# Altium PCB LogBoard.PcbDoc (continued)
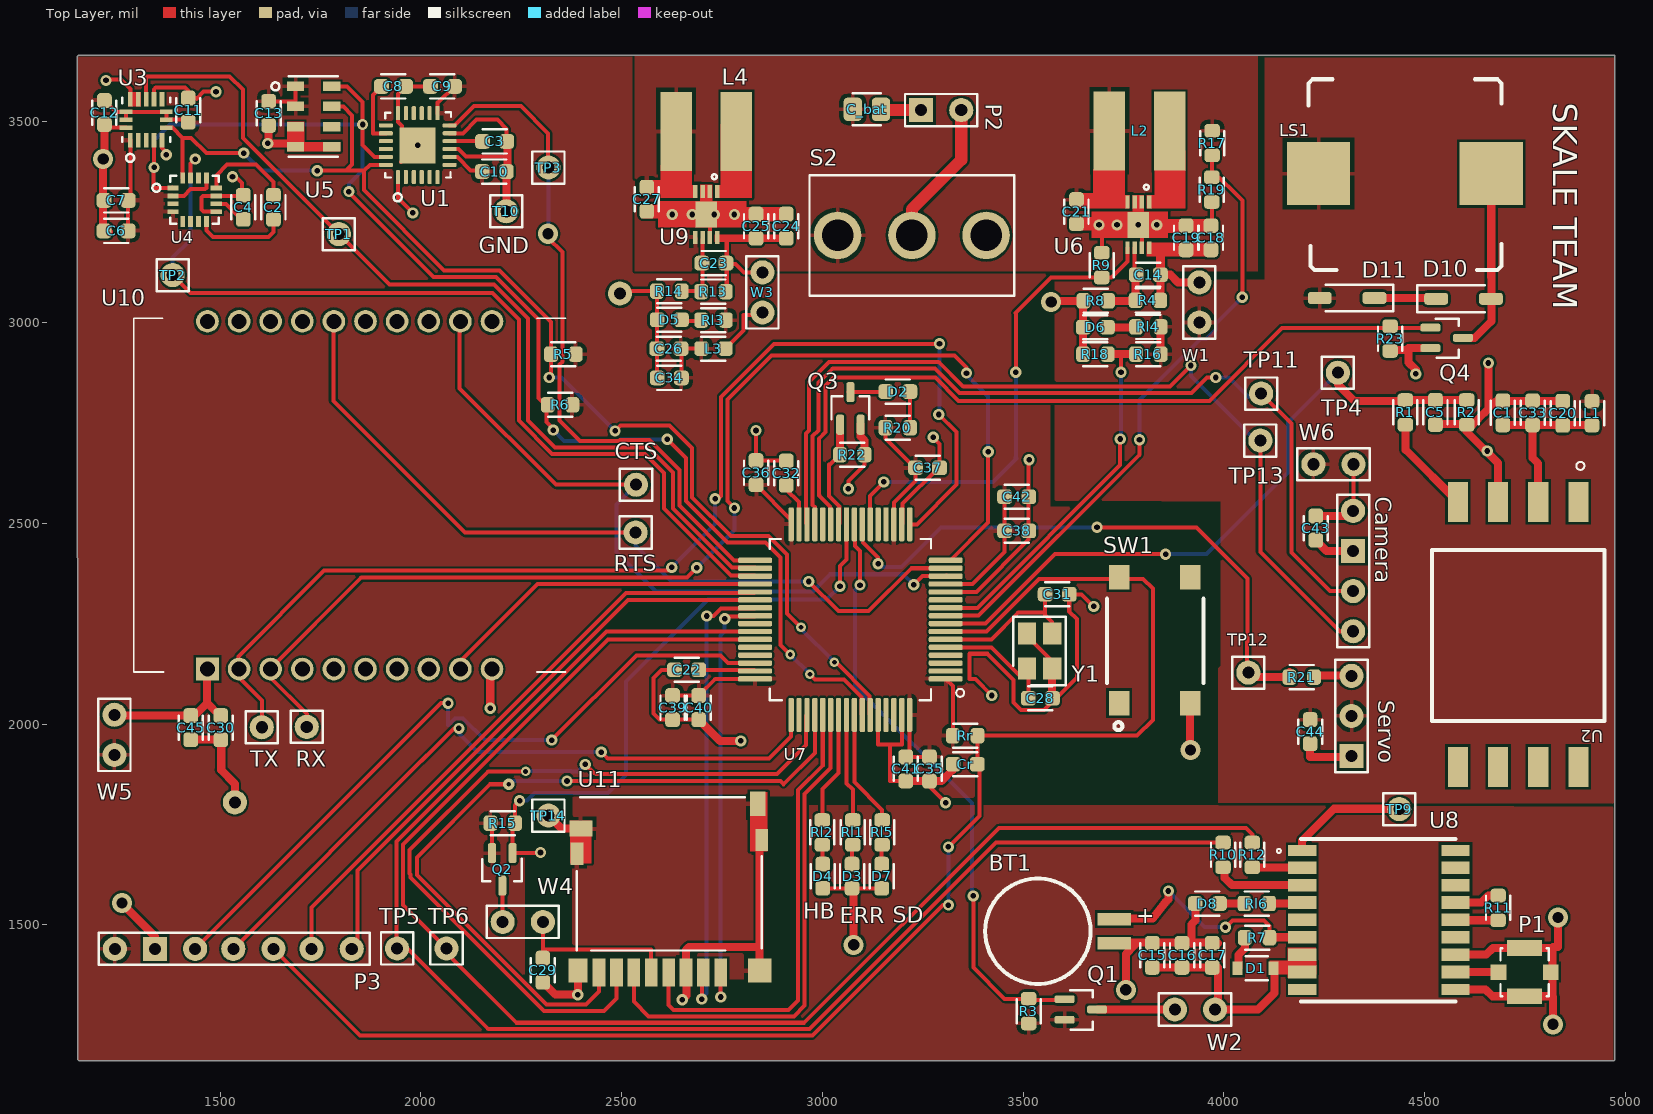
[diagram p0: Top Layer view]
## Part data (continued)
CTS RTS RX T10 TP1 TP2 TP3 TP4 TP5 TP6 TP9 TP11 TP12 TP13 TP14 TX: library part TP
D1: library part Diode, "Default Diode"
D2 D3 D4 D5 D6 D7 D8: "Typical RED, GREEN, YELLOW, AMBER GaAs LED"
D10 D11: "Zener Diode"
LS1: "Magnetic Transducer Buzzer"
P1: "RF Coaxial PCB Connector, MMCX; Thru-Hole, Vertical Mount Plug,  50 Ohm Impedance"
P2: library part "Header 2", "Header, 2-Pin"
Q1 Q2: "P-Channel MOSFET"
Q3 Q4: "N-Channel MOSFET"
R1 R2 R3 R4 R5 R6 R7 R8 R9 R10 R11 R12 R13 R14 R15 R16 R17 R18 R19 R20 R21 R22 R23 Rl1 Rl2 Rl3 Rl4 Rl5 Rl6 Rr: "Resistor"
S2: "SPDT Subminiature Toggle Switch, Right Angle Mounting, Vertical Actuation"
U3: "High g accelerometer"
U6 U9: library part LTC3539
U8: library part MAX-M8
W1 W2 W3 W4 W5 W6: "Jumper Wire"

## Free pads (board coordinates)
  round 60 hole 30: 2(2496,3072) 13(1537,1805)

## Via types
v1: diameter 28, hole 14, Top Layer to Bottom Layer, 79 vias
v2: diameter 50, hole 28, Top Layer to Bottom Layer, 9 vias
v3: diameter 24, hole 12, Top Layer to Bottom Layer, 5 vias
v4: diameter 28, hole 12, Top Layer to Bottom Layer, 1 vias

## Nets (pads, with @x,y where several pads share a name; then routed paths per layer and width w, separated by ;. In a path a pad name is that pad's centre, name@x,y a point inside that pad or via, vN(x,y) a via of type N, cw(c..) or ccw(c..) an arc to the next point about the centre after c; other vN are vias at no path point)
3V3: C6.1 C7.1 C9.1 C10.1 C11.1 C12.1 C13.1 C26.2 C34.2 C35.1 C36.1 C37.1 C38.1 C39.1 C40.1 C41.1 C42.1 L3.2 P3.1 Q1.2 Q2.2 R3.2 R5.2 R6.2 R15.2 R20.1 Rl3.2 Rr.1 U1.8 U1.13 U3.1 U3.7 U3.8 U3.14 U3.15 U4.2 U4.4 U4.13 U5.1 U5.2 U7.1 U7.13 U7.19 U7.32 U7.48 U7.64 W5.2 | length 2372
  Top Layer w10: C12.1 1240.31,3524.69 U3.14 ; U3.15 U3.14 ; C6.1@1272,3242 1271,3243 C7.1 1271,3306 1276.63,3311.63 U3.1 U3.1@1275,3452.68 ; U4.2 1410.34,3315.34 1427,3332 1462.66,3332 1465.85,3335.2 1465.85,3359.46 U4.13 U4.13@1465.85,3359.63 ; C11.1 1415,3505 U3.7 U3.8 U3.14 ; C13.1 1686,3551 1688,3553 U5.1 ; U1.13@2041.64,3520.5 2041.64,3547.36 2043.36,3547.36 C9.1 ; U1.8@2071.17,3412.24 2091.14,3412.24 2124.37,3379 C10.1@2136,3379 ; R15.2 2177.41,1748.88 Q2.2 ; R6.2@2374.71,2792 R6.2@2385.71,2803 ; C39.1 C40.1 2733.36,2112.36 U7.48 ; C34.2@2649,2857 C34.2 C26.2@2649,2933 ; C26.2@2651,2933 2649,2935 L3.2 ; C36.1 2922.36,2508.64 U7.32 U7.32@2921,2498.76 ; R20.1 3157.29,2711.71 3231,2638 C37.1 3232,2605 3178.27,2551.27 U7.19 ; U7.64 3217.64,1927.64 C41.1 C35.1 ; U7.1 3325.29,2094.47 Rr.1 ; U7.13 3374.58,2348.58 3454,2428 C38.1 C42.1
5V: C44.1 D11.1 L1.1 LS1.2 R16.2 Rl4.2 Servo.2 W1.2 W6.1 | length 90.1
  Top Layer w10: LS1.2@4226.83,3370.83 LS1.2
  Top Layer w20: R16.2 Rl4.2 ; D11.1@4235.81,3057.92 D11.1@4236,3057.92 ; Servo.2@4309,2011 Servo.2
5VA: C1.1 C20.2 C33.2 L1.2 U2.2 | length 419.8
  Top Layer w20: C1.1 C33.2 ; U2.2 4783,2649 4769,2663 C33.2 ; L1.2@4917,2745 C33.2
ADC_5V: R16.1 R18.2 U7.10 | length 930.3
  Top Layer w10: U7.10 3386.27,2289.53 3742,2645.25 v1(3742,2710) ; 3742,2921 3744,2919 v1(3744,2876)
  Top Layer w20: R18.2 3742,2921 R16.1
  Bottom Layer w10: v1(3742,2710) 3744,2712 3744,2723.37 3743.5,2723.87 3743.5,2875.5 v1(3744,2876)
ADC_BAT: R17.1 R19.2 U7.9 | length 1565.3
  Top Layer w10: U7.9 3389.21,2269.84 3790,2670.63 v1(3790,2708) ; R19.2 3971,3362.71 R17.1 ; 3971,3379 4046,3304 v1(4046,3063)
  Bottom Layer w10: v1@3790,2700 3790,2807 3942,2959 3955.98,2959 3980,2983.02 3980,2997 v1(4046,3063)
ADC_PITOT: C5.1 R1.1 R2.2 TP4.0 U7.8 | length 1685.9
  Top Layer w10: U7.8 3406.16,2250.16 3579,2423 v1(3855,2423)
  Top Layer w20: TP4.0@4274,2874 4284,2874 4284,2845.42 4324.71,2804.71 4443,2804.71 4445,2806.71 R2.2
  Bottom Layer w10: v1(3855,2423) 3957,2423 4160,2626 4160,2751 TP4.0
CAM_VCC: C43.1 Camera.1 W6.2 | length 214.8
  Top Layer w10: Camera.1 4323,2532 W6.2
  Top Layer w20: C43.1 4309,2518 Camera.1
DEBUG_RX: P3.7 U7.38 | length 1470.7
  Top Layer w10: P3.7 1842,1454 1842,1635 2516.21,2309.21 U7.38
DEBUG_TX: P3.6 U7.37 | length 1533.5
  Top Layer w10: P3.6 1728,1543.63 2511.28,2326.91 2830.61,2326.91 U7.37
ERR_LED: Rl1.2 U7.56 | length 272.5
  Top Layer w10: U7.56 3060.16,1852.21 3076,1836.37 Rl1.2@3076,1756.71
GND: BT1.2 C1.2 C3.2 C4.1 C5.2 C6.2 C7.2 C8.2 C9.2 C10.2 C11.2 C12.2 C13.2 C15.2 C16.2 C17.2 C18.1 C19.1 C20.1 C21.2 C22.2 C24.1 C25.1 C26.1 C27.2 C28.1 C29.2 C30.2 C31.1 C32.2 C33.1 C34.1 C35.2 C36.2 C37.2 C38.2 C39.2 C40.2 C41.2 C42.2 C43.2 C44.2 C45.2 C_bat.2 Camera.2 Cr.2 D3.2 D4.2 D5.2 D6.2 D7.2 D8.2 P1.2 P1.3 P1.4 P2.1 P3.2 pad.2 pad.13 Q3.2 Q4.2 R2.1 R8.1 R9.1 R14.1 R18.1 R19.1 R22.2 R23.2 Servo.1 SW1.3 T10.0 TP9.0 TP14.0 U1.1 U1.9 U1.11 U1.18 U1.25 U2.3 U3.5 U3.10 U3.12 U3.13 U3.16 U4.9 U4.11 U5.3 U5.4 U5.5 U6.2 U6.3 U6.7 U6.9 U7.12 U7.18 U7.60 U7.63 U8.1 U8.10 U8.12 U9.2 U9.3 U9.7 U9.9 U10.10 U11.6 U11.9 U11.10 U11.11 U11.12 U11.13 U11.14 Y1.2 Y1.4 | length 10336.4
  Top Layer w10: C12.2 1216,3493 1223.68,3485.32 U3.16 ; v1(1216,3603) 1218,3605 1253,3605 1276.63,3581.37 U3.13 ; U3.10 1335.68,3580.68 1339.9,3584.9 1413.1,3584.9 1441,3557 1459,3575 v1(1490,3575) ; U3.5 1355.37,3434.63 1366,3424 v1(1366,3418) ; C11.2 C11.2@1421,3577 ; U4.9@1499.03,3275.97 U4.9 1490.63,3276.15 1458.85,3276.15 1453.85,3281.15 1453.85,3311.15 1458.05,3315.34 1551.34,3315.34 C4.1@1555,3319 ; v1(1531,3363) 1540,3363 1555,3348 C4.1@1555,3317 ; v1(1619,3446) v1@1621,3448 ; U1.1@1943.21,3363.02 1943.21,3309.79 v1(1980,3273) ; U1.18 U1.18@1943.21,3520.5 ; U1.25@1951,3400.34 v1(1992.43,3441.76) 1953,3481.19 1953,3490 1943.21,3499.79 U1.18@1943.21,3520.5 ; C9.2 C8.2 1943.21,3569.21 U1.18@1943.21,3520.5 ; U1.9@2071.17,3431.92 2094.08,3431.92 2112,3414 2216,3414 2217,3415 ; U1.11@2071.17,3471.29 2105.29,3471.29 2139,3505 2191,3505 2214,3482 C3.2 ; pad.2 2502,3078 2596.29,3078 2588,3069.71 C34.1@2588,2857 ; C22.2 2599,2135 2579,2115 2579,2026 2594,2011 C39.2 C40.2 ; U9.3@2702,3321 2720,3321 2711,3312 U9.9 2711,3264 2720,3255 U9.7 U9.7@2720,3207 ; v1(2835,2731) 2835,2657 2836,2656 2909,2656 C32.2@2910,2657 ; D4.2@3002,1590 3074,1590 D7.2@3145,1590 ; v1(3065,2586) 3065,2605 3105.3,2645.3 R22.2 ; U7.60 3138.9,1948.95 3197.95,1948.95 ; C_bat.2 C_bat.2@3148,3529 ; U7.63 3197.95,1948.95 ; U7.18 3199.95,2499.4 3199.95,2548.95 3289,2638 C37.2 3292,2698 v1(3276,2714) ; C41.2 3168,1858 3168,1948.95 3197.95,1948.95 ; C35.2 3267,1844 v1(3307,1804) ; U7.12 3383.9,2328.9 3514,2459 C38.2 C42.2 3514,2657 v1(3515,2658) ; v1(3422,2071) 3381,2112 3366.1,2112 3366.1,2175 3411,2175 3475.87,2110.13 3475.87,2054.02 3495.19,2034.69 3551.69,2034.69 3581,2064 C28.1 3582,2064 3634,2116 3634,2261 3615,2280 C31.1 3646,2323 v1(3676,2293) ; Y1.2@3509.5,2231.31 3509.5,2219.5 3572.5,2156.5 Y1.4@3572.5,2144.69 ; 3666,3242 3677,3231 ; R9.1 3696,3224 3697,3225 ; 3737,3257 3737,3252 v1@3746,3243 ; C18.1 3970,3243 R19.1
  Top Layer w20: C12.2 1212,3410 v2(1209,3407) 1209,3239 C6.2@1223,3225 ; v2(1256,1554) 1256,1553 1338,1471 ; C45.2@1437,1961 C30.2 1503,1962 1503,1887 ; 1502,1886 1537,1851 pad.13 ; v1(1619,3446) 1680,3446 U5.4 ; v1@1621,3448 C13.2 ; U5.3@1686,3490 U5.3 ; v1(2173,2039) 2173,2134.68 U10.10@2175.69,2137.37 ; C10.2@2206.5,3370.68 2216,3378.45 2216,3449 C3.2 ; T10.0 C10.2 ; C29.2 2335,1326 v1(2391,1326) 2391,1376 2381,1386 U11.14@2394,1386 ; TP14.0 2350.26,1739.74 U11.12 ; v1(2651,1313) 2662,1324 2662,1379.54 U11.6 2660.54,1437.54 2668,1445 2841,1445 2844,1442 ; C40.2 2745,1958 v1(2797,1958) ; U11.9 2844,1442 ; U11.10 2844,1706 2844,1442 ; D3.2@3074,1590 3078,1586 v2(3078,1450) ; Q3.2 3095.59,2716.41 3105.3,2706.7 R22.2 ; C41.2 C35.2 3297,1858 3325,1886 Cr.2@3325,1904 ; v2@3572,3053.71 3573,3053.71 3573.71,3053 3649.29,3053 R18.1 ; Y1.4 3572.5,2064.5 C28.1 ; v2(3756,1338) 3756,1427 3777,1448 3769,1456 3919,1456 ; SW1.3 3916.17,1935.83 v2(3917,1935) ; 3919,1454 3919,1456 ; D8.2 3929,1511 3919,1501 3919,1456 ; C17.2@3985,1454 3983,1456 3919,1456 ; U8.1 4195.11,1710.11 4274,1789 4429,1789 TP9.0@4437,1797 ; C44.2 4215,1918 4316,1918 Servo.1 ; C43.2 4256,2431 Camera.2 ; R23.2@4415,2931.13 4457.13,2931.13 4460.24,2934.24 ; v1(4478,2872) 4478,2883 4460.24,2900.76 4460.24,2934.24 ; Q4.2@4510.76,2936.24 4460.24,2936.24 4460.24,2934.24 ; C5.2@4528,2747 4603.29,2747 R2.1 4605,2728 4683,2650 U2.3 ; U8.10 4652,1339 4669,1322 P1.4 ; U8.12 4653.61,1425.61 4670,1442 P1.2 4818,1442 ; R2.1@4619,2745.29 4650,2776.29 ; v1(4659,2899) 4659,2785.29 4650,2776.29 ; P1.4@4751,1324 P1.4 ; v2(4820,1252) 4820,1320 4818,1322 ; 4825,2805 C1.2 4678.71,2805 4650,2776.29 ; v2(4832,1518) 4832,1444.31 4820.31,1444.31 4818,1442 ; P1.4 4818,1322 ; 4818,1322 4818,1442
  Top Layer w30: C_bat.2@3148,3529 P2.1
  other v1: 4656,2680 3689,3243 3734,3243 3787,3243 3833,3243 2626,3269 2676,3269 2731,3269 2781,3269
  other v2: 3570,3051
GPS_RX: R12.1 TP6.0 U7.43 | length 3709.8
  Top Layer w10: U7.43 2466.79,2210.79 1956,1700 1956,1549 TP6.0 2064,1430 2238,1256 2955,1256 3440,1741 4055,1741 4071,1725 R12.1
GPS_TX: R10.1 TP5.0 U7.42 | length 3709.2
  Top Layer w10: U7.42 2462.47,2230.47 1940,1708 1940,1442 TP5.0 1967,1441 2168,1240 2968.37,1240 3433.08,1704.71 R10.1
H_BEAT: Rl2.2 U7.55 | length 278.7
  Top Layer w10: Rl2.2 3000,1838 3040,1878 3040,2022.13 U7.55
I2C_SCL: R6.1 U1.23 U3.4 U4.1 U5.8 U7.58 | length 3387.6
  Top Layer w10: v1@1334.66,3386.32 1334.66,3335.03 U4.1 U4.1@1381,3336.39 ; v1(1335.68,3386.32) U3.4 ; U5.8 1816,3588 1855,3549 v1(1855,3493) 1855,3442 1884.76,3412.24 U1.23@1913.68,3412.24 ; v1(1821,3326) 1821,3324 2032,3113 2187,3113 2293,3007 2293,2812.29 2313.29,2792 2313.29,2751.71 v1@2322,2743 ; v1(2614,2709) 2660,2663 2660,2556 2764,2452 2859,2452 2896,2415 2896,2197 v3(2920,2173) ; v3(2969,2124) 2982,2111 3053.94,2111 3097.54,2067.4 3097.54,2024.59 U7.58
  Bottom Layer w10: v1(1335.68,3386.32) 1335.68,3453.68 1375,3493 v1(1855,3493) 1855,3378.64 1821,3344.64 v1(1821,3326) ; v1(2330,2732) 2357,2705 2494.36,2705 2498.36,2709 v1(2614,2709) ; v3(2920,2173) v3(2969,2124)
I2C_SDA: R5.1 U1.24 U3.6 U4.16 U5.7 U7.59 | length 3039.8
  Top Layer w10: U3.6 1381.68,3485.32 1406.97,3460.03 ; U4.16@1408,3360.66 U4.16 1406.97,3460.03 ; v1(1559,3422) 1466,3422 1427.97,3460.03 1406.97,3460.03 ; v1(1742,3378) 1858.5,3378 ; U5.7 1807,3538 1829,3516 1829,3393 1814,3378 ; U1.24@1913.68,3392.55 1873.05,3392.55 1858.5,3378 ; v1(2320,2863) 2324.29,2867.29 R5.1 2324.29,3001.71 2196,3130 2058,3130 1858.5,3329.5 1858.5,3378 ; v1(2484,2730) 2497,2743 2620,2743 2676,2687 2676,2564 2772,2468 2866,2468 2912,2422 2912,2275.56 2946.56,2241 v3(2947,2241) ; v3(3030,2154) 3033.56,2154 3117.22,2070.34 3117.22,2024.59 U7.59
  Bottom Layer w10: v1(1559,3422) 1603,3378 v1(1742,3378) ; v1(2320,2863) 2351,2863 v1(2484,2730) ; v3(2947,2241) 2947,2237 v3(3030,2154)
IMG_RX: Camera.4 TP13.0 U7.30 | length 2233.3
  Top Layer w10: U7.30 2959.74,2499.39 2959.74,2542.2 2959,2542.94 2959,2721.28 2959.74,2722.02 2959.74,2723.74 2967,2731 2967,2852 3017,2902 3290,2902 3351,2841 3866,2841 v1(3918,2893) ; TP13.0 4091,2429 4289,2231 Camera.4
  Bottom Layer w10: v1(3918,2893) 3918,2867 4079,2706 TP13.0
IMG_TX: Camera.3 TP11.0 U7.29 | length 2184.1
  Top Layer w10: U7.29 2981.42,2540.21 2975.74,2545.89 2975.74,2548.83 2975,2549.57 2975,2714.65 2975.74,2715.39 2975.74,2717.11 2990,2731.37 2990,2850 3026,2886 3281,2886 3342,2825 3920,2825 3958,2863 v1(3980,2863) ; TP11.0 4168,2748 4168,2427 4264,2331 Camera.3
  Top Layer w20: TP11.0 TP11.0@4102.77,2823
  Bottom Layer w10: v1(3980,2863) 4013,2863 4062,2814 4082,2834 TP11.0
INT_H3LIS: TP1.0 U3.11 U7.34 | length 2353.9
  Top Layer w10: U3.11 1316,3613 1524,3613 1557,3580 1557,3460 1922,3095 2182.37,3095 2267,3010.37 2267,2756 2334,2689 2565.37,2689 2628,2626.37 2628,2537.37 2775.43,2389.94 2832.6,2389.94 U7.34
INT_HMC: TP2.0 U4.15 U7.35 | length 2324.9
  Top Layer w10: TP2.0 1426,3074 2178,3074 2245,3007 2245,2755.37 2327.37,2673 2558.75,2673 2606,2625.75 2606,2536.75 2772.49,2370.26 2830.61,2370.26 U7.35 ; U4.15 1426.66,3395.66 v1(1438,3407)
  Bottom Layer w10: TP2.0 1382,3162 1426,3206 1426,3395 v1(1438,3407)
INT_MPU: TP3.0 U1.12 U7.33 | length 1726
  Top Layer w10: U1.12@2071.17,3490.98 2083.98,3490.98 2132,3539 2249,3539 2317,3471 2317,3387 TP3.0 ; v2(2317,3221) 2317,3211 2352.42,3175.58 2352.42,2902.27 2346,2895.85 2346,2756 2397,2705 2494.36,2705 2496.36,2707 2570,2707 2644,2633 2644,2544 2780.36,2407.64 U7.33 U7.33@2818.36,2407.64
  Bottom Layer w10: v2(2317,3221) 2318,3222 TP3.0
NetBT1_1: BT1.1 R7.2 U8.6 | length 548.8
  Top Layer w10: v1(4004,1494) 4021,1511 4100,1511 4113.71,1497.29 R7.2
  Top Layer w20: 3769,1516 3823,1516 3857.05,1558.56 3862,1563.51 v1(3862,1584) ; R7.2 4114.63,1468.92 U8.6
  Bottom Layer w10: v1(3862,1584) 3952,1494 v1(4004,1494)
NetC2_1: C2.1 U4.8 | length 233
  Top Layer w10: U4.8 1466.03,3228.97 1482.03,3212.97 1620.94,3212.97 1633,3225.03 C2.1
NetC2_2: C2.2 U4.12 | length 235.7
  Top Layer w10: U4.12 1490.63,3366.63 1517,3393 1590,3393 1633,3350 C2.2
NetC3_1: C3.1 U1.10 | length 62.2
  Top Layer w10: U1.10@2072.77,3452 2135,3452
NetC4_2: C4.2 U4.10 | length 79.6
  Top Layer w10: U4.10 1514.34,3295.66 1551,3259 C4.2@1555,3259
NetC8_1: C8.1 U1.20 | length 158.1
  Top Layer w10: C8.1 1881,3567 1881,3471.29 U1.20@1913.68,3471.29
NetC14_1: C14.1 R4.1 R8.2 U6.6 | length 204.1
  Top Layer w10: C14.1@3778,3119 U6.6 ; R4.1@3780.29,3052 R4.1 ; C14.1@3780.29,3117.29 C14.1
  Top Layer w20: R8.2 3778.29,3054 R4.1@3780.29,3052 ; R4.1 C14.1@3780.29,3117.29
NetC14_2: C14.2 C18.2 C19.2 R4.2 U6.8 W1.1 | length 173.6
  Top Layer w10: R4.2@3841.71,3052 R4.2 ; C14.2@3841.71,3114.71 3846,3119 C14.2
  Top Layer w20: R4.2 C14.2@3841.71,3114.71 ; C14.2@3846,3119 3867,3119 3886,3100 W1.1
NetC22_1: C22.1 U7.47 | length 135.4
  Top Layer w10: C22.1@2699,2135 2699,2134.04 2830.61,2134.04 U7.47
NetC23_1: C23.1 R13.2 R14.2 U9.6 | length 193.7
  Top Layer w10: R14.2@2652.71,3069 2661.71,3078 2693.71,3078 2702,3069.71 U9.6@2702,3207
NetC23_2: C23.2 C24.2 C25.2 R13.1 U9.8 W3.2 | length 232.8
  Top Layer w10: R13.1@2760,3066.29 2762.71,3069 2762,3069.71 C23.2@2762,3136 ; 2762,3210 2762,3146 2784,3146 2805,3125 W3.2
NetC32_1: C32.1 U7.31 | length 110.9
  Top Layer w10: C32.1 2910,2584.58 2942.05,2552.53 U7.31
NetD1_2: D1.2 R7.1 | length 81.7
  Top Layer w20: D1.2@4036,1393 4036,1425 4052.29,1441.29 R7.1
NetD2_1: D2.1 R20.2 | length 90.3
  Top Layer w10: D2.1 3218.71,2827.29 R20.2
NetD2_2: D2.2 Q3.3 | length 93
  Top Layer w10: Q3.3@3065,2826.55 Q3.3 D2.2@3158,2826.55
NetD3_1: D3.1 Rl1.1 | length 46.3
  Top Layer w10: D3.1 Rl1.1@3074,1697.29
NetD4_1: D4.1 Rl2.1 | length 47.3
  Top Layer w10: D4.1 Rl2.1@3001,1698.29
NetD5_1: D5.1 Rl3.1 | length 52.7
  Top Layer w10: D5.1@2649,3004 2700.29,3004 Rl3.1@2701.29,3003
NetD6_1: D6.1 Rl4.1 | length 71.7
  Top Layer w20: D6.1 3780.29,2988 Rl4.1
NetD7_1: D7.1 Rl5.1 | length 48.3
  Top Layer w10: D7.1 Rl5.1@3148,1699.29
NetD8_1: D8.1 Rl6.1 | length 54.3
  Top Layer w20: D8.1 Rl6.1@4043.29,1553
NetD10_1: D10.1 LS1.1 Q4.3 | length 455.6
  Top Layer w20: Q4.3 4624.83,2961.83 4666.11,3003.11 4666.11,3113.11 4666,3113 LS1.1
NetD10_2: D10.2 D11.2 | length 126.2
  Top Layer w10: D10.2@4499.89,3061 D10.2@4500.89,3060
  Top Layer w20: D11.2 D10.2@4499.89,3061
NetL2_2: L2.2 U6.1
NetL3_1: L3.1 W3.1 | length 165.1
  Top Layer w10: L3.1@2758,2935 L3.1 2804,2980 2804,3019 2857,3019 W3.1
NetL4_2: L4.2 U9.1
NetP2_2: P2.2 S2.2 | length 364.9
  Top Layer w20: P2.2 P2.2@3346,3531
  Top Layer w30: S2.2 3223,3282 3346,3405 P2.2
NetQ1_3: Q1.3 W2.2 | length 191.4
  Top Layer w20: Q1.3@3686.55,1289 W2.2
NetQ2_3: Q2.3 W4.1 | length 94.8
  Top Layer w10: W4.1@2196,1506 2196,1525.5 2204,1533.5 Q2.3@2204,1597.45
NetR1_2: R1.2 U2.4 | length 246.6
  Top Layer w20: R1.2@4447,2743.29 4453,2737.29 4453,2683 U2.4
NetR10_2: R10.2 U8.3 | length 226.9
  Top Layer w20: R10.2@4002,1643.29 4002,1617 4020.16,1598.84 U8.3
NetR11_1: R11.1 U8.15 | length 113.1
  Top Layer w20: U8.15 4641.54,1555.54 4658.71,1572.71 R11.1
NetR11_2: R11.2 U8.14 | length 105.1
  Top Layer w20: U8.14@4577.94,1511.29 R11.2
NetR12_2: R12.2 U8.2 | length 126.2
  Top Layer w20: R12.2@4071,1647.29 4076.14,1642.15 U8.2@4195.11,1642.15
NetR21_2: R21.2 Servo.3 | length 96.7
  Top Layer w20: R21.2@4225.71,2117 4225.71,2121 4317,2121 Servo.3
NRST: Cr.1 P3.5 Rr.2 SW1.2 U7.7 | length 3717.8
  Top Layer w10: P3.5 1849,1224 2975,1224 3300,1549 v1(3314,1549) ; U7.7 3409.47,2230.47 3540,2361 3799,2361 3823,2337 3823,2010 3784,1971 Rr.2 3386.71,1909.71 Cr.1@3381.5,1904.5 ; v1(3314,1694) 3391,1771 3391,1895 Cr.1
  Bottom Layer w10: v1(3314,1549) v1(3314,1694)
PH0: C28.2 U7.5 Y1.1 | length 292.2
  Top Layer w10: U7.5 3420.9,2191.1 3490,2122 3513,2122 C28.2
PH1: C31.2 U7.6 Y1.3 | length 386.1
  Top Layer w10: U7.6 3399.79,2210.79 3400,2211 3421,2211 3488,2278 3548,2278 ; C31.2 3554.28,2271.72 3572.5,2253.5 3572.5,2231.31 Y1.3@3572.76,2249.68
PWM_BUZZER: Q4.1 R23.1 U7.27 | length 1979.9
  Top Layer w10: U7.27 3018.8,2499.39 3018.8,2542.2 2992,2569 2993.53,2569 2991.74,2570.79 2991.74,2710.49 3008,2726.75 3008,2843 3027.55,2862.55 3281.82,2862.55 3339.37,2805 3964,2805 4145,2986 Q4.1@4514.45,2986
PWM_LED: Q3.1 R22.1 U7.26 | length 271.8
  Top Layer w10: 3017,2646.12 3017,2567.67 3042.47,2542.2 3042.47,2499.4 U7.26 ; 3019,2646.12 R22.1 ; R22.1@3039.29,2671 R22.1@3044.41,2676.12
  Top Layer w20: R22.1@3044.41,2676.12 Q3.1
PWM_SERVO: R21.1 TP12.0 U7.23 | length 1442.6
  Top Layer w10: 3101.52,2452.6 3139,2415.12 v1(3139,2399) ; v1(3684,2490) 3932,2490 4059,2363 4059,2206 4058,2207 TP12.0@4058,2139
  Top Layer w20: TP12.0@4058,2139 4066,2117 R21.1 R21.1@4163.29,2130
  Bottom Layer w10: v1@3139,2390.5 3197.5,2390.5 3296,2489 v1@3684,2489
RF_IN: P1.1 U8.11 | length 107.1
  Top Layer w20: U8.11 4577.31,1382 P1.1
SD_LED: Rl5.2 U7.57 | length 290.5
  Top Layer w10: U7.57 3079.84,1855.16 3149,1786 Rl5.2
SDIO_CLK: U7.53 U11.5 | length 1154.7
  Top Layer w10: U11.5 2617.23,1299.77 2629,1288 2916,1288 2940,1312 2940,1835.21 3001.1,1896.32 U7.53
SDIO_CMD: U7.54 U11.3 | length 1274.7
  Top Layer w10: U11.3 2530.61,1308.39 2567,1272 2929,1272 2956,1299 2956,1826 3020.79,1890.79 U7.54
SDIO_D0: U7.39 U11.7 | length 1156.6
  Top Layer w10: v1(2700,1315) 2700,1374.84 2705,1379.84 U11.7 ; v1(2712,2269) 2728.64,2269 2747.18,2287.54 2830.61,2287.54 U7.39
  Bottom Layer w10: v1(2700,1315) 2700,1317 2712,1329 v1(2712,2269)
SDIO_D1: U7.40 U11.8 | length 1086.1
  Top Layer w10: v1(2747,1320) 2747,1380.85 U11.8 ; v1(2757,2262) 2762.85,2267.85 2830.61,2267.85 U7.40
  Bottom Layer w10: v1(2747,1320) 2747,2220 2757,2230 v1(2757,2262)
SDIO_D2: U7.52 U11.1 | length 1893
  Top Layer w10: v4(2219,1850) 2172,1850 1990,1668 1990,1623.89 2312.89,1301 2411,1301 2444,1334 U11.1 ; v1(2364,1858) 2895.63,1858 2903.63,1850 2981.42,1927.79 U7.52
  Bottom Layer w10: v4(2219,1850) 2227,1858 v1(2364,1858)
SDIO_D3: U7.51 U11.2 | length 1991.2
  Top Layer w10: v3(2261,1882) 2168,1882 1972,1686 1972,1627.37 1974,1625.37 1974,1617.26 2306.26,1285 2456,1285 2487.31,1316.31 U11.2 ; v1(2409.42,1899.42) 2430.84,1878 2433,1878 2436,1875 2887,1875 2959.93,1947.93 2959.93,2020.42 2959.74,2020.61 U7.51
  Bottom Layer w10: v3(2261,1882) 2262,1883 2374.36,1883 2375.36,1882 2392,1882 v1(2409.42,1899.42)
SHDN_IN: R9.2 U6.5 U7.22 | length 1200.9
  Top Layer w10: U7.22 3119.21,2568.21 v1@3151,2600 ; v1(3482,2876) 3482,3023 3481,3024 3569.29,3112.29 3720.29,3112.29 3760,3152 U6.5
  Bottom Layer w10: v1(3153,2603) 3425,2603 3483.5,2661.5 3481,2664 3482,2665 v1(3482,2876)
SLEEP_RQ: U7.36 U10.9 | length 833.4
  Top Layer w10: U10.9@2096.94,2137.37 2096.94,2154.94 2290.58,2348.58 U7.36
SWCLK: P3.4 U7.49 | length 1774.6
  Top Layer w10: P3.4@1559,1440 P3.4 2014,1921 2015,1921 ; 2003,1909 2015,1921 ; v1(2095,1989) 2083,1989 2015,1921 ; v1(2449.61,1930) 2465.61,1914 2867,1914 2922,1969 2922,2022.24 U7.49
  Bottom Layer w10: v1(2095,1989) 2095,1976 2141,1930 v1(2449.61,1930)
SWDIO: P3.3 U7.46 | length 1826.5
  Top Layer w10: P3.3 2050,2052 v1(2068,2052) ; v1(2326,1960) 2537,2171 2746,2171 2765.27,2151.73 U7.46
  Bottom Layer w10: v1(2068,2052) 2068,1998 2068.64,1998 2084.64,2014 2105.36,2014 2159.36,1960 v1(2326,1960)
TIMEPULSE: Rl6.2 U8.4 | length 91.5
  Top Layer w20: Rl6.2@4104.71,1553 4192.57,1553 U8.4
VBAT: C21.1 C27.1 C_bat.1 L2.1 L4.1 R17.2 S2.3 U6.4 U9.4 U9.5 | length 83.4
  Top Layer w10: C27.1@2562,3338 C27.1 ; U9.5@2684,3207 U9.5@2684,3209 ; L2.1@3717,3478 L2.1@3717,3558
VCC_G: C15.1 C16.1 C17.1 D1.1 U8.7 U8.8 W2.1 | length 507.4
  Top Layer w20: C15.1 3919,1394 3985,1394 3985,1296 W2.1 4085,1289 4126,1330 4126,1393 D1.1@4132,1387
VCC_XB: C30.1 C45.1 U10.1 W5.1 | length 376.6
  Top Layer w20: W5.1@1237,2021 1437,2021 1468.02,2052.02 ; U10.1@1468.02,2137.37 1468.02,2052.02 ; C30.1@1503,2022 1498.05,2022 1468.02,2052.02
VDD_SD: C29.1 U11.4 W4.2 | length 421
  Top Layer w10: C29.1@2304,1413 W4.2 ; 2304,1438.08 2573.92,1438.08 U11.4
XB_CTS: CTS.0 U7.14 U10.12 | length 1794.9
  Top Layer w10: U10.12@2096.94,3003.51 2096.94,2836.06 2337,2596 CTS.0 ; v1(3228,2347) 3249.27,2368.27 U7.14 U7.14@3309.39,2370.26
  Bottom Layer w10: CTS.0 2487,2547 2487,2429 2586,2330 2976.36,2330 3019.36,2373 3202,2373 v1(3228,2347)
XB_RTS: RTS.0 U7.15 U10.16 | length 2016.2
  Top Layer w10: U10.16@1781.98,3003.51 1781.98,2805.02 2110,2477 RTS.0 ; v1(2966,2355) 3040,2281 3115,2281 3221.95,2387.95 U7.15
  Bottom Layer w10: RTS.0 2535,2444.64 2624.64,2355 v1(2966,2355) ; RTS.0@2536,2490 RTS.0@2548,2490
XB_RX: RX.0 U7.16 U10.3 | length 3021.9
  Top Layer w10: RX.0 1716,2025 1624.5,2116.5 1624.5,2137.37 1851.72,2364.58 2662.58,2364.58 v1(2687,2389) ; v1(2781,2538) 2764,2555 2764,2808.36 2873.64,2918 3329,2918 3359,2888 v1(3359,2874) ; U7.16 3318.64,2407.64 3413,2502 v1(3413,2678)
  Bottom Layer w10: v1(2687,2389) 2781,2483 v1(2781,2538) ; v1(3359,2874) 3357,2872 3413,2816 v1(3413,2678)
XB_TX: TX.0 U7.17 U10.2 | length 2989.6
  Top Layer w10: TX.0 1604,2059 1545.76,2117.24 1545.76,2168.76 1759,2382 2617,2382 v1(2625,2390) ; v1(2733,2561) 2733,2553 2748,2568 2748,2814.98 2880.02,2947 v1(3292,2947) ; U7.17 3235.4,2497.4 3334,2596 3334,2727 v1(3290,2771)
  Bottom Layer w10: v1(2625,2390) 2733,2498 v1(2733,2561) ; v1(3290,2771) 3292,2773 v1(3292,2947)
~GPS_EN: Q1.1 R3.1 U7.24 | length 1495.7
  Top Layer w10: U7.24@3080,2497.24 3081.83,2495.41 3081.83,2443.66 3094,2431.49 v1(3094,2346) ; v1(3376,1572) 3376,1394 3454.29,1315.71 R3.1 3517.12,1312.59 Q1.1@3603.45,1312.59
  Bottom Layer w10: v1(3094,2346) 3082,2334 3082,2094 3373,1803 v1@3373,1572
~SD_EN: Q2.1 R15.1 U7.25 | length 1524.1
  Top Layer w10: v1(2246,1809) 2234.71,1797.71 R15.1 2228.59,1746.88 Q2.1 2296.55,1678.55 v1(2298,1680) ; v1(3044,2343) 3044,2394 3060.16,2410.16 U7.25
  Bottom Layer w10: v1(2246,1809) 2264,1809 2283,1828 2466,1828 2511,1873 2511,2105.36 2715.64,2310 3011,2310 v1(3044,2343)
pads on no net: S2.1 SW1.1 SW1.4 U1.2 U1.3 U1.4 U1.5 U1.6 U1.7 U1.14 U1.15 U1.16 U1.17 U1.19 U1.21 U1.22 U2.1 U2.5 U2.6 U2.7 U2.8 U3.2 U3.3 U3.9 U4.3 U4.5 U4.6 U4.7 U4.14 U5.6 U7.2 U7.3 U7.4 U7.11 U7.20 U7.21 U7.28 U7.41 U7.44 U7.45 U7.50 U7.61 U7.62 U8.5 U8.9 U8.13 U8.16 U8.17 U8.18 U10.4 U10.5 U10.6 U10.7 U10.8 U10.11 U10.13 U10.14 U10.15 U10.17 U10.18 U10.19 U10.20

## Polygon pours and split planes (outlines as drawn)
GND on Bottom Layer "Bottom Layer-No Net" (solid, remove dead copper, pour order 0): 1150.96,3662 4972,3662 4972,1164 1145.33,1164
VBAT on Top Layer "VBAT" (solid, remove dead copper, pour order 4): 2533,3663 4084.68,3663 4084.68,3128 2533,3128
5V on Top Layer "5V" (solid, remove dead copper, pour order 6): 4102,3660 4972.39,3660 4972.39,1801.04 3986.34,1803.85 3986.35,2017.36 3986.35,2139.36 3992.35,2145.36 3992.35,2553.36 3583.34,2556.36 3578.64,2556.36 3578.64,2559.07 3578.64,2571.65 3578.66,3107 4102,3107
GND on Top Layer "GND" (solid, remove dead copper, pour order 10): 2378,1822 2381,1819 2847,1819 2847,1445 2844,1442 2847,1439 2847,1364 2379,1364 2378,1363 2377,1364 2377,1368
3V3 on Top Layer "3V3A" (solid, remove dead copper, pour order 14): 1147,3662 2533,3662 2533,3128 2533,3121 3568,3121 3568,2541 3673,2541 3965,2541 3965,2546 3965,1811 1147,1836.03
3V3 on Top Layer "3V3A" (solid, remove dead copper, pour order 16): 1147,1836 2259,1836 2259,1281 2923,1281 2923,1284 2923,1798 4970.27,1798 4970.27,1476 4970.27,1161 1147,1161

## Other copper
Top Layer:
  region net NetC14_2: 3831,3195 3831,3104 3854,3104 3854,3195
  region net GND: 3791,3220 3791,3201 3801,3201 3801,3220
  region net NetC14_2: 3808,3199 3808,3164 3982,3164 3982,3199
  region net GND: 3824,3258 3824,3223 3981,3223 3981,3258
  region net GND: 3632,3263 3632,3229 3726,3229 3726,3263
  region net VBAT: 3634,3323 3634,3284 3718,3284 3718,3323
  region net GND: 3773,3317 3773,3242 3801,3242 3801,3317
  region net VBAT: 3674,3382 3674,3284 3754,3284 3754,3382
  region net VBAT: 3688,3317 3688,3284 3765,3284 3765,3317
  region net NetL2_2: 3827,3428 3827,3284 3904,3284 3904,3428
  region net NetL2_2: 3808,3318 3808,3284 3903,3284 3903,3318
  region net GND: 3670,3276 3670,3210 3861,3210 3861,3276
  region net NetC23_2: 2732,3219 2732,3201 2911,3201 2911,3219
  region net GND: 2796,3288 2796,3252 2910,3252 2910,3288
  region net GND: 2552,3294 2552,3259 2621,3259 2621,3294
  region net VBAT: 2549,3355 2549,3319 2632,3319 2632,3355
  region net VBAT: 2597,3392 2597,3310 2675,3310 2675,3392
  region net VBAT: 2621,3342 2621,3310 2688,3310 2688,3342
  region net NetL4_2: 2747,3494 2747,3310 2825,3310 2825,3494
  region net NetL4_2: 2736,3342 2736,3310 2791,3310 2791,3342
  region net GND: 2696,3344 2696,3274 2726,3274 2726,3344
  region net GND: 2591,3302 2591,3237 2811,3237 2811,3302
  rectangle net GND: 1271,3538 1303,3574
  region net GND: 1710,3426 1710,3500 1667,3500 1667,3426
  region net GND: 1800,3426 1800,3449 1688,3449 1688,3426
  rectangle net VCC_G: 4159,1367 4230,1443
  rectangle net VCC_G: 4114,1376 4231,1411
  rectangle net GND: 2820,1683 2864,1831
  rectangle net GND: 2371,1653 2425,1760

## Silkscreen, mask and mechanical layers (free items; w line width, h text height)
Top Overlay:
  text "SKALE TEAM" at 4820,3547 h60 r270
  text "GND" at 2144,3173 h40
  text "HB" at 2952,1515 h40
  text "SD" at 3176,1505 h40
  text "ERR" at 3043,1504 h40
Mechanical 1:
  lines w10: 1149.12,3660.88 1149.12,1163.12 4972.39,1163.12 4972.39,3660 1152,3660 ; 4969,3661 4969,1165 1150,1165 1150,3661 4972,3661
Mechanical 15:
  lines w10: 1147,1156 4968,1156 ; 1150,3666 4971,3666

## Text inside footprints (layer, text, board x,y; h text height)
BT1: Top Overlay "+" at 3782,1504 h40